# Altium PCB PCB2.PcbDoc (part 1 of 2) (continued)
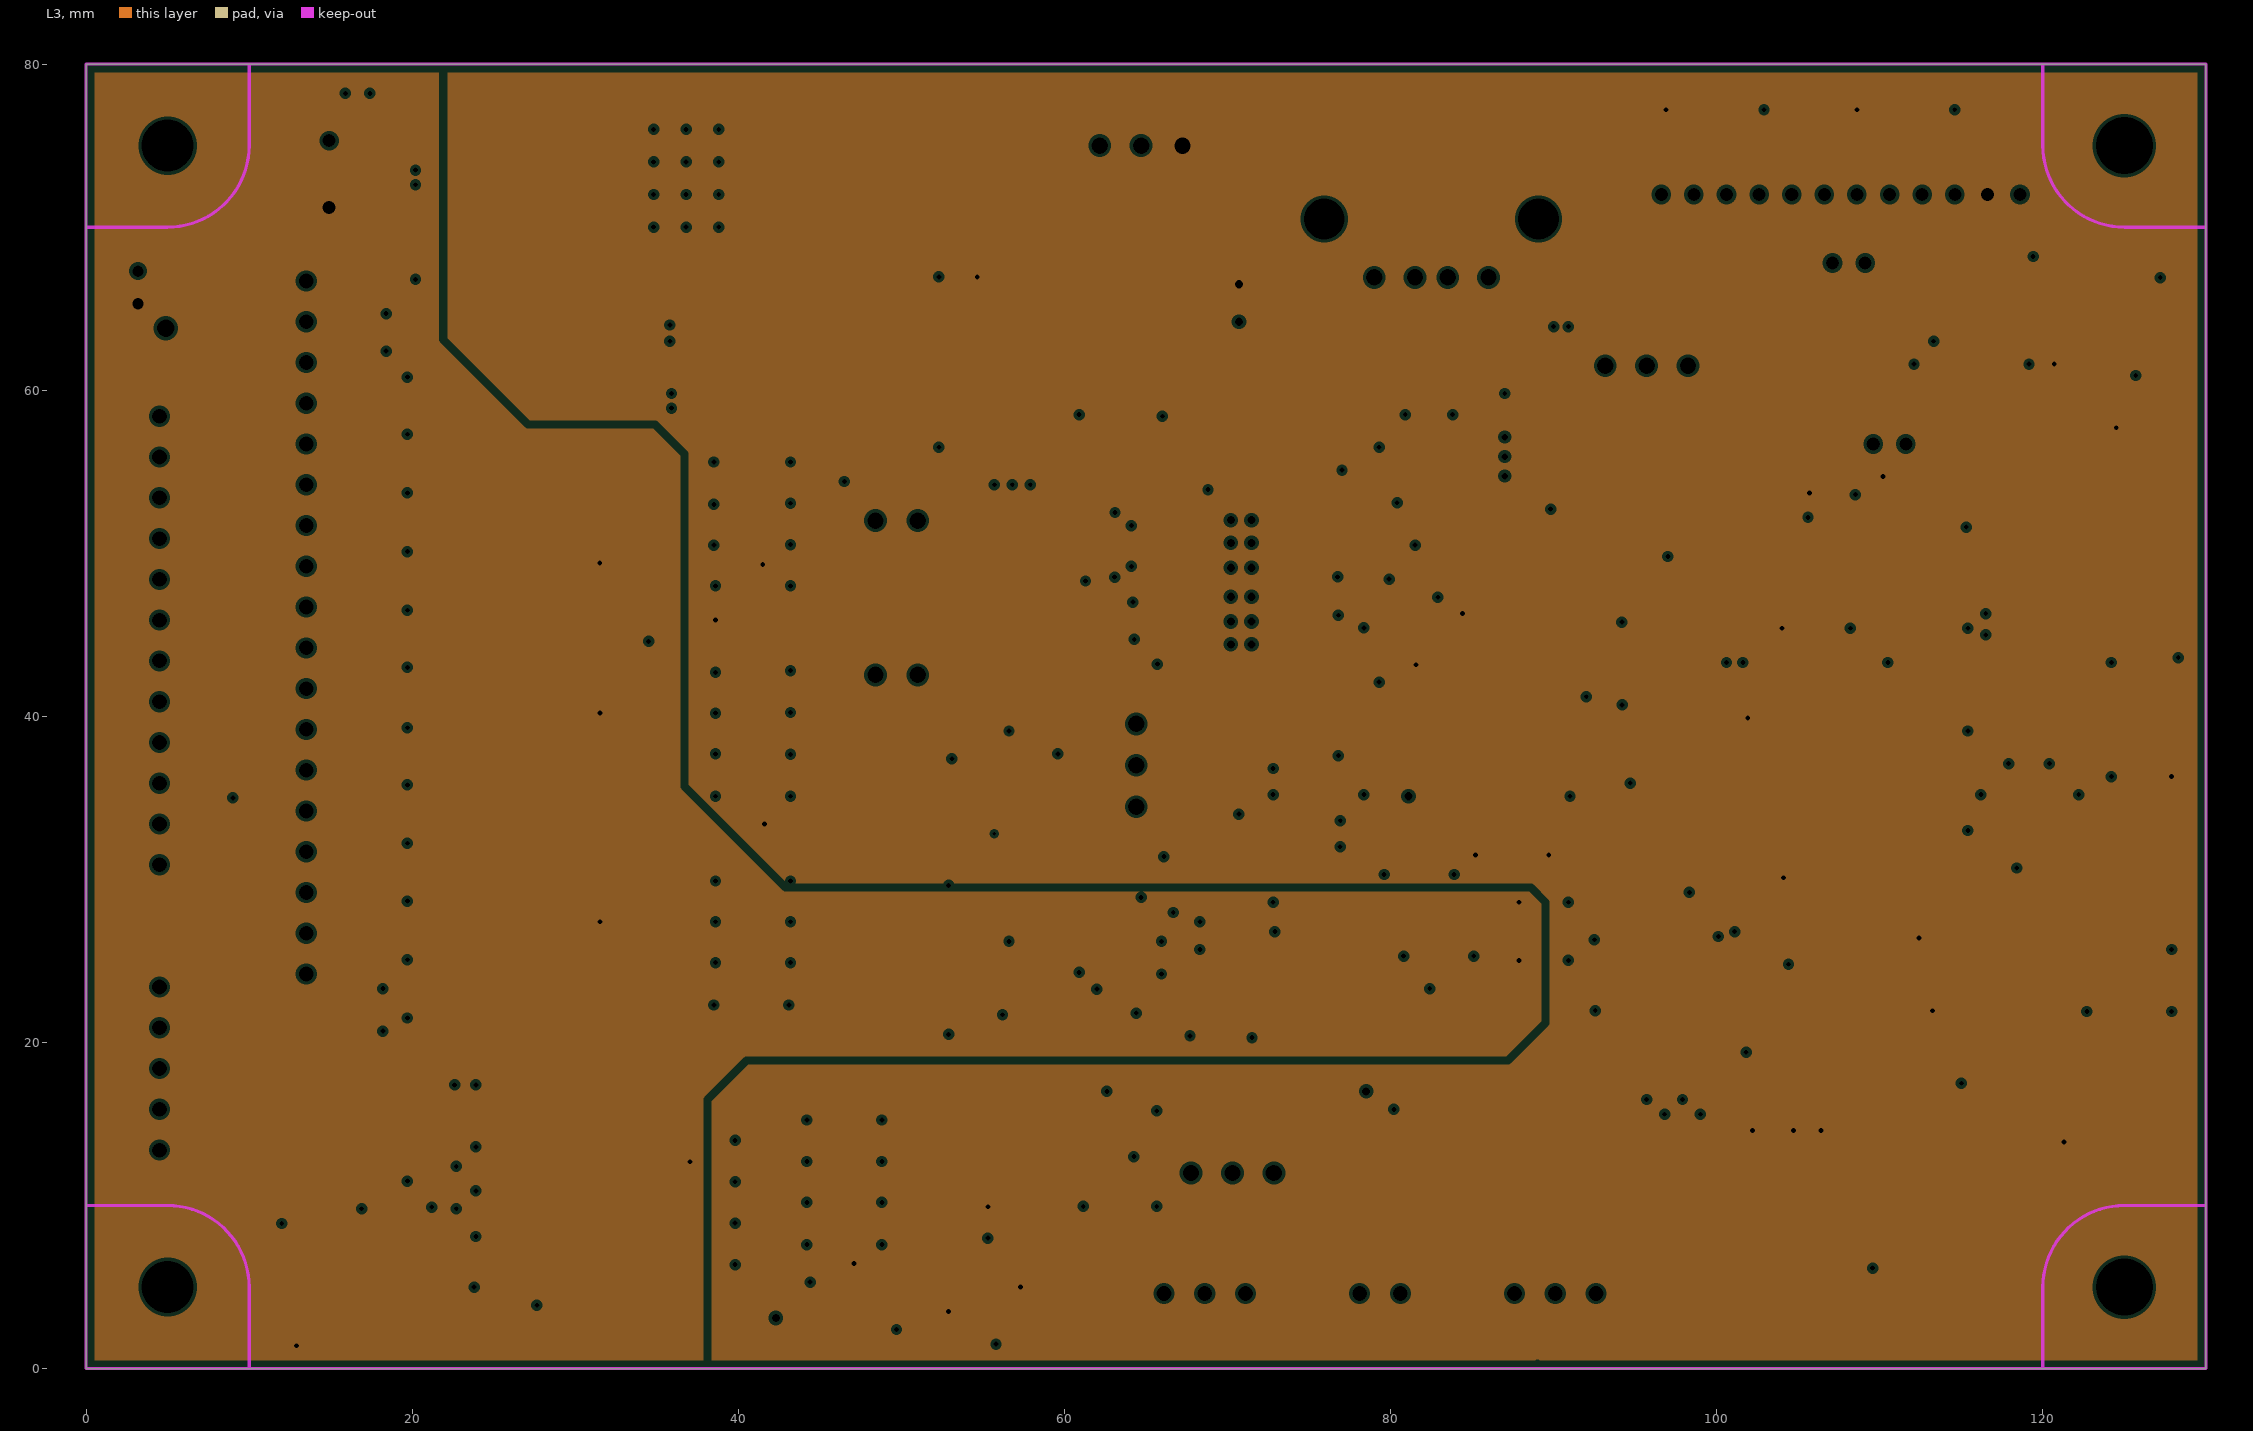
[diagram p3: L3, clearances drawn from the general rule]

## Layer stack, top to bottom
Top Solder: solder mask 0.0102, Solder Resist, Dk 3.5
L1: signal copper 0.043
Dielectric 2: prepreg 0.0711, PP-006, Dk 4.1
L2: plane copper 0.035, net (Multiple Nets)
Dielectric 1: dielectric 0.32, FR-4, Dk 4.8
L3: plane copper 0.035, net (Multiple Nets)
Dielectric 3: prepreg 0.0711, PP-006, Dk 4.1
L4: signal copper 0.043
Bottom Solder: solder mask 0.0102, Solder Resist, Dk 3.5

## Board outline
0,0 130,0 130,80 0,80

## Design rules (kind name [scope] priority, off if disabled: settings)
Clearance [All] p1: gap=0.1 ignorepadtopadclearanceinfootprint=TRUE except(0: SMDPad-Hole THPad-Hole Via-Hole Fill-Fill Fill-Poly Fill-Region Fill-Text Fill-Hole Poly-Poly Poly-Region Poly-Text Poly-Hole Region-Region Region-Text Region-Hole Text-Hole; 0.2: Arc-Arc Arc-Track Arc-Via Track-Track Track-Via; 0.25: Arc-Fill Arc-Poly Arc-Region Track-Fill Track-Poly Track-Region)
DiffPairsRouting [All] p1: maxlimit=0.254 minlimit=0.254 mostfreqgap=0.254 toplayer_minwidth=0.381 toplayer_maxwidth=0.381 toplayer_prefwidth=0.381 bottomlayer_minwidth=0.381 bottomlayer_maxwidth=0.381 bottomlayer_prefwidth=0.381 maxuncoupledlength=150
HoleSize [All] p1: absolutevalues=TRUE maxlimit=5 minlimit=0.025 maxpercent=80.000 minpercent=20.000
HoleToHoleClearance [All] p1: gap=0.1 allowstackedmicrovias=TRUE
MinimumSolderMaskSliver [All] p1: minsoldermaskwidth=0.1
PlaneClearance [All] p1: clearance=0.2
PlaneConnect [All] p1: planeconnectstyle=Relief reliefexpansion=0.2 reliefentries=4 reliefconductorwidth=0.2 reliefairgap=0.2
PolygonConnect [All] p1: connectstyle=Relief reliefconductorwidth=0.254 reliefentries=4 polygonreliefangle="90 Angle" airgapwidth=0.2
RoutingVias [All] p1: holewidth=0.3 width=0.6 viastyle="Through Hole" minholewidth=0.1 minwidth=0.6 maxholewidth=0.3 maxwidth=0.6
SilkToSilkClearance [All] p1: silktosilkclearance=0.1
SilkToSolderMaskClearance [IsPad] p1: minsilkscreentomaskgap=0 clearancetoexposedcopper=TRUE
SolderMaskExpansion [All] p1: expansion=0 istentingtop=FALSE
Width [All] p1: maxlimit=5 minlimit=0.1 preferedwidth=0.25 minimp=50.000000 maximp=50.000000 favimp=50.000000
22 further rules are at their usual default settings.

## Classes and differential pairs
component class U_Power: C20 C21 C22 C23 C24 C25 C26 C27 C28 C29 C30 C31 L2 L3 L4 R49 R50 R51 R52 R53 R54 R55 U4 U5
component class U_MCU: BOOT C1 C2 C3 C4 C5 C6 C7 C8 C9 C10 C11 C12 C13 C14 C15 C16 C17 C18 C19 CN5 ED1 JP1 JP2 JTAG1 L1 LED1 LED2 LED3 LED4 MS1 MS2 PC1 PC2 PC3 PC4 R1 R2 R3 R4 R5 R6 R7 R8 R9 R10 R11 R12 R13 R14 R15 R16 R17 R18 R19 R20 R21 R22 R23 R24 R25 R26 R27 R28 R29 R30 R31 R32 R33 R34 R35 R36 R37 R38 R39 R40 R41 R42 R43 R44 R45 R46 R47 R48 RESEt1 SW1 SW2 TR1 TR2 U1 U2 U3 USB1 USBPOW1 VR3 VR4 X1 X2
component class U_IO: C32 C33 C34 C35 C36 C37 C38 C39 C40 C41 C42 C43 C44 C45 C46 C47 C48 C49 C50 C51 C52 CN3 D1 DGND1 "EXT GND1" FUSE1 J1 J2 J3 JP3 JP4 PC5 PC6 PC7 PC8 R56 R57 R58 R59 R60 R61 R62 R63 R64 R65 R66 R67 R68 R69 R70 R71 R72 R73 R74 R75 R76 R77 R78 R79 R80 R81 R82 R83 R84 R85 R86 R87 R88 R89 R90 R91 R92 R93 R94 R95 R96 R97 R98 R99 R100 R101 R102 R103 R104 R105 R106 TP1 U6
component class U_Amp: C53 C54 C55 C56 C57 C58 C59 C60 C61 C62 C63 C64 C65 C66 C67 C68 C69 C70 C71 C72 C73 C74 C75 C76 C77 C78 C89 C90 C91 CN1 CN4 L5 L6 POWS1 R107 R108 R109 R110 R111 R112 R113 R114 R115 R116 R117 R118 R119 R120 R121 R122 R123 R124 R125 R126 R127 R128 R129 R130 R131 R132 R133 R134 TP2 TP3 U7 U8 U9 VR1 VR2 VRS1
component class TOP: 3.3V AGND1 FD3 FD5 LG1

## Components (designator, comment, footprint, x,y, rotation, side; value= is the part's Value field where it differs from the comment)
3.3V "TP0.5mm" TP0.5mm 70.7,66.5 r90 top
AGND1 "TP0.5mm" TP0.5mm 70.7,64.2 r90 top
BOOT "HEDDER2 2mm" "HDR1X2 2MM" 109.6,56.7 r0 top
C1 "TMK107BJ105MA-T" C1608 97.7,52.8 r0 top
C2 "TMK107BJ105MA-T" C1608 105.4,26.9 r90 top
C3 "CGA3E2X7R1H104K080AA" C1608 97.7,51 r0 top
C4 "CGA3E2X7R1H104K080AA" C1608 86.395,46.3 r180 top
C5 "CGA3E2X7R1H104K080AA" C1608 103.6,26.9 r90 top
C6 "CGA3E2X7R1H104K080AA" C1608 92.3,48.45 r180 top
C7 "GCD188R71H103KA01D" C1608 127.9,29.6 r90 top
C8 "TMK107BJ105MA-T" C1608 124.5,60 r270 top
C9 "TMK107BJ105MA-T" C1608 126.9,60 r270 top
C10 "CGA3E2X7R1H104K080AA" C1608 114.5,59.4 r270 top
C11 "CGA3E2X7R1H104K080AA" C1608 116.1,59.4 r270 top
C12 "GCM1885C2A150FA16D" C1608 112.1,63.4 r270 top
C13 "GCM1885C2A150FA16D" C1608 110.1,63.4 r270 top
C14 "GCM1885C2A102JA16D" C1608 108.1,63.4 r270 top
C15 "CGA3E2X7R1H104K080AA" C1608 120.152,67.1 r0 top
C16 "CGA3E2X7R1H104K080AA" C1608 92.3,49.9 r0 top
C17 "CGA3E2X7R1H104K080AA" C1608 87.7,61.5 r180 top
C18 "CGA3E2X7R1H104K080AA" C1608 91.5,56.25 r90 top
C19 "CGA3E2X7R1H104K080AA" C1608 86.395,51.8 r180 top
C20 "GCD188R71H103KA01D" C1608 55.375,75.7 r90 top
C21 "GCD188R71H103KA01D" C1608 56.9,75.7 r90 top
C22 "GRM21BR71H474MA88" C2012 45.7,60.9 r90 top
C23 "UMK325C7106MM-T" C3225 31.3,60.9 r90 top
C24 "TMK212BBJ106MG-T" C2012 70.8,61.5 r270 top
C25 "TMK212BBJ106MG-T" C2012 72.8,61.5 r270 top
C26 "TMK212BBJ106MG-T" C2012 58.7,69.79 r0 top
C27 "TMK212BBJ106MG-T" C2012 58.7,67.575 r0 top
C28 "GCD188R71H103KA01D" C1608 52.275,73.06 r90 top
C29 "GRM21BR71H474MA88" C2012 63.5,69.6 r180 top
C30 "CGA3E2X7R1H104K080AA" C1608 67.9,66.5 r0 top
C31 "EMK325ABJ107MM-T" C3225 68.5,69 r0 top
C32 "CGA3E2X7R1H104K080AA" C1608 22,32.218 r0 top
C33 "CGA3E2X7R1H104K080AA" C1608 11.8,73.8 r0 top
C34 "CGA3E2X7R1H104K080AA" C1608 22,28.645 r0 top
C35 "CGA3E2X7R1H104K080AA" C1608 46.4,5.3 r0 top
C36 "CGA3E2X7R1H104K080AA" C1608 37.9,44.6 r0 top
C37 "CGA3E2X7R1H104K080AA" C1608 22,25.073 r0 top
C38 "CGA3E2X7R1H104K080AA" C1608 22,21.5 r0 top
C39 "CGA3E2X7R1H104K080AA" C1608 27.1,17.4 r0 top
C40 "CGA3E2X7R1H104K080AA" C1608 27.1,12.85 r0 top
C41 "CGA3E2X7R1H104K080AA" C1608 27.1,9.1 r0 top
C42 "CGA3E2X7R1H104K080AA" C1608 22,35.791 r0 top
C43 "CGA3E2X7R1H104K080AA" C1608 22,39.364 r0 top
C44 "CGA3E2X7R1H104K080AA" C1608 22,42.936 r0 top
C45 "CGA3E2X7R1H104K080AA" C1608 22,46.509 r0 top
C46 "CGA3E2X7R1H104K080AA" C1608 22,50.082 r0 top
C47 "CGA3E2X7R1H104K080AA" C1608 22,53.655 r0 top
C48 "CGA3E2X7R1H104K080AA" C1608 22,57.227 r0 top
C49 "CGA3E2X7R1H104K080AA" C1608 22,60.8 r0 top
C50 "CGA3E2X7R1H104K080AA" C1608 59,3.475 r180 top
C51 "GRM21BR71H474MA88" C2012 23.175,71.1 r0 top
C52 "GRM21BR71H474MA88" C2012 11.8,71.1 r0 top
C53 "CGA3E2X7R1H104K080AA" C1608 60.6,31.475 r180 top
C54 "TMK107BJ105MA-T" C1608 74.9,26.8 r180 top
C55 "TMK107BJ105MA-T" C1608 80.905,12.9 r180 top
C56 "GCM1885C2A471JA16D" C1608 71,25.2 r180 top
C57 "GCM1885C2A221JA16D" C1608 53.6,25.1 r0 top
C58 "TMK107BJ105MA-T" C1608 74.9,30.3 r0 top
C59 "GCM1885C2A682JA16D" C1608 53.6,21.675 r180 top
C60 "GCM1885C2A102JA16D" C1608 71,30.3 r0 top
C61 "CGA3E2X7R1H104K080AA" C1608 81.9,30.3 r180 top
C62 "GCM1885C2A102JA16D" C1608 71,38.375 r180 top
C63 "EMK325ABJ107MM-T" C3225 61.275,44.8 r270 top
C64 "CGA3E2X7R1H104K080AA" C1608 52.895,34.8 r90 top
C65 "UMK107B7474KA-TR" C1608 58.49,44.5 r90 top
C66 "GCM1885C2A102JA16D" C1608 56,46.8 r180 top
C67 "GCM1885C2A102JA16D" C1608 56,48.3 r0 top
C68 "CGA3E2X7R1H104K080AA" C1608 53.6,28.4 r0 top
C69 "CGA3E2X7R1H104K080AA" C1608 58.49,38.4 r90 top
C70 "TMK107BJ105MA-T" C1608 82.2,48.4 r180 top
C71 "UMK107B7474KA-TR" C1608 58.49,51.8 r90 top
C72 "TMK107BJ105MA-T" C1608 79.74,52 r0 top
C73 "TMK107BJ105MA-T" C1608 79.74,50.5 r180 top
C74 "GCM1885C2A102JA16D" C1608 66.3,53.9 r180 top
C75 "EMK325ABJ107MM-T" C3225 61.3,52 r90 top
C76 "TMK107BJ105MA-T" C1608 75.04,55.1 r180 top
C77 "CGA3E2X7R1H104K080AA" C1608 71,40.2 r180 top
C78 "CGA3E2X7R1H104K080AA" C1608 66.852,30.3 r180 top
CN1 "B2P-SHF-1AA" B2P-SHF-1AA 78.1,4.6 r180 top
CN3 "B02B-PASK-1" B02B-PASK-1 3.184,65.3 r270 top
CN4 "B3P-SHF-1AA" B3P-SHF-1AA 66.1,4.6 r180 top
CN5 "B3P-SHF-1AA" B3P-SHF-1AA 87.6,4.6 r180 top
D1 "SIPS3150U" DO-214AA 25.3,76.25 r180 top
DGND1 "TP3.2mm" TP3.2mm 5,75 r90 top
ED1 "SMD_JAMPER" "SMD_JAMPER -CUT" 118.5,59.554 r270 top
"EXT GND1" "TP3.2mm" TP3.2mm 5,5 r90 top
FUSE1 "ERB-RE3R00V" R1608 18.1,77 r0 top
J1 "B18P-SHF-1AA" B18P-SHF-1AA 13.5,66.7 r90 top
J2 "B5P-SHF-1AA" B5P-SHF-1AA 4.5,23.4 r90 top
J3 "B12P-SHF-1AA" B12P-SHF-1AA 4.5,58.4 r90 top
JP1 "SMD_JAMPER" "SMD_JAMPER -Cut" 116.4,18 r270 top
JP2 "SMD_JAMPER" "SMD_JAMPER -Cut" 113.6,18 r270 top
JP3 "SMD_JAMPER" "SMD_JAMPER -Cut" 10.1,8.9 r180 top
JP4 "SMD_JAMPER" "SMD_JAMPER -Cut" 14.4,78.2 r180 top
JTAG1 "HEDDER12 2mm" "HDR1X12 2MM" 96.6,72 r0 top
L1 "MLZ2012N101LT000" R2012 125.4,55.9 r0 top
L2 "ACP3225-102-2P-T000" ACM3225 53.525,59.95 r270 top
L3 "ACP3225-102-2P-T000" ACM3225 39.3,60.9 r0 top
L4 "ACP3225-102-2P-T000" ACM3225 63.41,59.95 r90 top
L5 "TF3225" R3225 49.7,45 r180 top
L6 "TF3225" R3225 49.7,49.5 r180 top
LED1 "APT1608LSECK/J4-PRV" LED1608 86.65,42.033 r180 top
LED2 "APT1608LSYCK/J3-PRV" LED1608 86.65,39.8 r180 top
LED3 "APT1608LZGCK" LED1608 86.65,37.5 r180 top
LED4 "APT1608LSECK/J3-PRV" LED1608 86.65,44.3 r180 top
MS1 "SMD_JAMPER" "SMD_JAMPER -CUT" 126.654,65.6 r180 top
MS2 "SMD_JAMPER" "SMD_JAMPER -CUT" 126.654,68.2 r180 top
PC1 "TLP291" SOP4 18.8,7.5 r180 top
PC2 "TLP291" SOP4 89.4,24.4 r0 top
PC3 "TLP291" SOP4 18.8,4.4 r180 top
PC4 "TLP291" SOP4 89.4,27.965 r0 top
PC5 "TLP291-4(TP,E)" SO16 33,25.495 r0 top
PC6 "TLP291-4(TP,E)" SO16 33,38.3 r0 top
PC7 "TLP291-4(TP,E)" SO16 38.4,10.78 r0 top
PC8 "TLP291-4(TP,E)" SO16 32.9,51.17 r0 top
POWS1 "SS12D01G4" SS12D01G4 64.4,37 r90 top
R1 "ERJ-PA3F4701V" R1608 126.7,32.9 r90 top
R2 "ERJ-PA3F4701V" R1608 125.7,17.9 r0 top
R3 "ERJ-PA3F4701V" R1608 125.7,16.133 r0 top
R4 "ERJ-PA3F4701V" R1608 112.4,28.7 r270 top
R5 "ERJ-PA3F4701V" R1608 126,36.3 r0 top
R6 "ERJ-PA3F4701V" R1608 112.4,23.8 r90 top
R7 "ERJ-PA3F4701V" R1608 110.6,76.499 r90 top
R8 "ERJ-PA3F4701V" R1608 106.6,76.5 r90 top
R9 "ERJ-PA3F4701V" R1608 100.6,76.5 r90 top
R10 "ERJ-PA3F4701V" R1608 98.6,76.5 r90 top
R11 "ERJ-PA3F4701V" R1608 95.3,76.499 r90 top
R12 "ERJ-PA3F22R0V" R1608 120.633,32.9 r90 top
R13 "ERJ-PA3F22R0V" R1608 119.117,32.9 r90 top
R14 "ERJ-PA3F22R0V" R1608 122.15,32.9 r270 top
R15 "ERJ-PA3F22R0V" R1608 123.667,32.9 r270 top
R16 "ERJ-PA3F22R0V" R1608 117.6,32.9 r90 top
R17 "ERJ-PA3F4701V" R1608 104.6,76.499 r90 top
R18 "ERJ-PA3F22R0V" R1608 125.183,32.9 r270 top
R19 "ERJ-PA3F4701V" R1608 112.6,76.499 r90 top
R20 "ERJ-PA3F1002V" R1608 110.9,53.6 r180 top
R21 "ERJ-PA3F1003V" R1608 120.7,59.405 r270 top
R22 "ERJ-PA3F1002V" R1608 105.6,55.7 r180 top
R23 "ERJ-PA3F1002V" R1608 98.3,55.6 r270 top
R24 "ERJ-PA3F1002V" R1608 96.2,55.6 r270 top
R25 "ERJ-PA3F1002V" R1608 92.305,51.7 r0 top
R26 "ERJ-PA3F1001V" R1608 82.25,42.033 r0 top
R27 "ERJ-PA3F22R0V" R1608 86.4,50.1 r180 top
R28 "ERJ-PA3F1001V" R1608 82.25,39.767 r0 top
R29 "ERJ-PA3F1501V" R1608 93.1,55.6 r90 top
R30 "ERJ-PA3F22R0V" R1608 86.47,48.425 r180 top
R31 "ERJ-PA3F1001V" R1608 82.25,37.5 r0 top
R32 "ERJ-PA3F1001V" R1608 82.25,44.3 r0 top
R33 "ERJ-PA3F1003V" R1608 87.13,31.5 r180 top
R34 "ERJ-PA3F1003V" R1608 91.85,31.5 r180 top
R35 "ERJ-PA3F1003V" R1608 103,16.7 r270 top
R36 "ERJ-PA3F1003V" R1608 104.8,16.7 r270 top
R37 "ERJ-PA3F1003V" R1608 106.4,16.7 r270 top
R38 "ERJ-PA3F1003V" R1608 125.7,11.1 r0 top
R39 "ERJ-PA3F1003V" R1608 125.7,12.778 r0 top
R40 "ERJ-PA3F1003V" R1608 125.7,14.456 r0 top
R41 "ERJ-PA3F1003V" R1608 120.6,16.133 r0 top
R42 "ERJ-PA3F1003V" R1608 120.6,17.9 r0 top
R43 "ERJ-P08J472V" R2012 13,3.765 r270 top
R44 "ERJ-P08J472V" R2012 11,3.765 r270 top
R45 "ERJ-PA3F3900V" R1608 26.9,4.9 r0 top
R46 "ERJ-P08J222V" R2012 90.7,17.7 r90 top
R47 "ERJ-PA3F3900V" R1608 26.9,2.865 r0 top
R48 "ERJ-P08J222V" R2012 93.1,17.7 r90 top
R49 "ERJ-PA3F1003V" R1608 49.9,65.7 r0 top
R50 "ERJ-PA3F1003V" R1608 53.9,75.7 r270 top
R51 "ERJ-PA3F1003V" R1608 56.205,72.4 r180 top
R52 "ERJ-PA3F1000V" R1608 53.9,68.9 r90 top
R53 "ERJ-PA3F1000V" R1608 55.4,68.9 r90 top
R54 "ERJ-PA3F1000V" R1608 52.3,68.9 r270 top
R55 "ERJ-S030R00V" R1608 67.9,64.8 r0 top
R56 "ERJ-PA3F1002V" R1608 40.9,22.3 r0 top
R57 "ERJ-PA3F1002V" R1608 40.9,24.9 r0 top
R58 "ERJ-PA3F1002V" R1608 40.9,27.4 r0 top
R59 "ERJ-PA3F1002V" R1608 40.9,29.94 r0 top
R60 "ERJ-PA3F1002V" R1608 46.4,7.6 r0 top
R61 "ERJ-PA3F1002V" R1608 46.4,10.165 r0 top
R62 "ERJ-PA3F1002V" R1608 46.4,12.7 r0 top
R63 "ERJ-PA3F1002V" R1608 46.4,15.245 r0 top
R64 "ERJ-PA3F1002V" R1608 40.9,42.745 r0 top
R65 "ERJ-PA3F1002V" R1608 40.9,40.2 r0 top
R66 "ERJ-PA3F1002V" R1608 40.9,37.7 r0 top
R67 "ERJ-PA3F1002V" R1608 40.9,35.1 r0 top
R68 "ERJ-PA3F1002V" R1608 40.8,55.615 r0 top
R69 "ERJ-PA3F1002V" R1608 40.8,53.075 r0 top
R70 "ERJ-PA3F1002V" R1608 40.8,50.535 r0 top
R71 "ERJ-PA3F1002V" R1608 40.795,47.965 r0 top
R72 "ERJ-PA3F1002V" R1608 25.2,30.28 r90 top
R73 "ERJ-PA3F1002V" R1608 25.2,42.64 r90 top
R74 "ERJ-P08J222V" R2012 21.8,30.416 r0 top
R75 "ERJ-P08J222V" R2012 21.8,44.704 r180 top
R76 "ERJ-PA3F1002V" R1608 26.5,26.8 r90 top
R77 "ERJ-PA3F1002V" R1608 26.7,39.6 r90 top
R78 "ERJ-P08J222V" R2012 21.8,26.844 r0 top
R79 "ERJ-P08J222V" R2012 21.8,41.132 r180 top
R80 "ERJ-PA3F1002V" R1608 25.1,24.1 r90 top
R81 "ERJ-PA3F1002V" R1608 25.2,36.46 r90 top
R82 "ERJ-P08J222V" R2012 21.8,23.272 r0 top
R83 "ERJ-P08J222V" R2012 21.8,37.56 r180 top
R84 "ERJ-PA3F1002V" R1608 26.5,21.6 r90 top
R85 "ERJ-PA3F1002V" R1608 26.7,33.92 r90 top
R86 "ERJ-P08J222V" R2012 21.8,19.7 r0 top
R87 "ERJ-P08J222V" R2012 21.8,33.988 r180 top
R88 "ERJ-PA3F1002V" R1608 30.5,15.3 r90 top
R89 "ERJ-PA3F1002V" R1608 25.3,55 r90 top
R90 "ERJ-P08J222V" R2012 26.9,14.725 r0 top
R91 "ERJ-P08J222V" R2012 21.8,58.992 r180 top
R92 "ERJ-PA3F1002V" R1608 31.9,12.2 r90 top
R93 "ERJ-PA3F1002V" R1608 26.7,52.4 r90 top
R94 "ERJ-P08J222V" R2012 26.9,10.962 r0 top
R95 "ERJ-P08J222V" R2012 21.8,55.42 r180 top
R96 "ERJ-PA3F1002V" R1608 30.5,9.6 r90 top
R97 "ERJ-PA3F1002V" R1608 25.3,49.3 r90 top
R98 "ERJ-P08J222V" R2012 26.9,7.2 r0 top
R99 "ERJ-P08J222V" R2012 21.8,51.848 r180 top
R100 "ERJ-PA3F1002V" R1608 26.7,46.24 r90 top
R101 "ERJ-PA3F1002V" R1608 50.4,3.5 r0 top
R102 "ERJ-P08J222V" R2012 38,3.09 r180 top
R103 "ERJ-P08J222V" R2012 21.8,48.276 r180 top
R104 "ERJ-PA3F1002V" R1608 55.1,3.5 r180 top
R105 "ERJ-6GEY0R00V" R2012 17.9,71.15 r180 top
R106 "ERJ-6GEY0R00V" R2012 17.9,75 r180 top
R107 "ERJ-PA3F1002V" R1608 60.6,30 r180 top
R108 "ERJ-PA3F1002V" R1608 56.4,31.5 r180 top
R109 "ERJ-PA3F3601V" R1608 53.595,23.4 r180 top
R110 "ERJ-PA3F3601V" R1608 59.8,21.6 r0 top
R111 "ERJ-PA3F4701V" R1608 71,28.6 r0 top
R112 "ERJ-P08J511V" R2012 77.6,21.8 r180 top
R113 "ERJ-PA3F1201V" R1608 53.595,26.744 r180 top
R114 "ERJ-PA3F1302V" R1608 71,26.825 r180 top
R115 "ERJ-PA3F4701V" R1608 74.9,28.6 r0 top
R116 "ERJ-PA3F1002V" R1608 80.9,11.3 r0 top
R117 "ERJ-PA3F1004V" R1608 56.4,30 r180 top
R118 "ERJ-PA3F5100V" R1608 80.9,14.5 r180 top
R119 "ERJ-PA3F1002V" R1608 74.9,25 r180 top
R120 "ERJ-PA3F1001V" R1608 63.3,19.4 r0 top
R121 "ERJ-PA3F1002V" R1608 54.5,38.409 r90 top
R122 "ERJ-PA3F1002V" R1608 54.5,34.809 r90 top
R123 "ERJ-PA3F1002V" R1608 77.2,42.1 r180 top
R124 "ERJ-PA3F3902V" R1608 78.3,47.7 r270 top
R125 "ERJ-PA3F3902V" R1608 82.12,46.2 r0 top
R126 "ERJ-PA3F3601V" R1608 74.89,36.8 r180 top
R127 "ERJ-PA3F1002V" R1608 74.9,38.4 r0 top
R128 "ERJ-PA3F22R0V" R1608 71.4,57 r180 top
R129 "ERJ-PA3F1002V" R1608 74.89,35.2 r0 top
R130 "ERJ-PA3F22R0V" R1608 71.4,55.2 r180 top
R131 "ERJ-PA3F3601V" R1608 80.415,55.8 r270 top
R132 "ERJ-PA3F3601V" R1608 78.3,55.8 r90 top
R133 "ERJ-PA3F1002V" R1608 74.9,33.6 r0 top
R134 "ERJ-PA3F1002V" R1608 74.9,32 r180 top
RESET1 "HEDDER2 2mm" "HDR1X2 2MM" 109.1,67.8 r180 top (schematic designator RESEt1)
SW1 "219-8MST" 219-8MST 108.29,8 r270 top
SW2 "CJS-1201TB" "Slide Switch SPDT" 100.1,21.5 r270 top
TP1 "TP0.5mm" TP0.5mm 42.3,3.1 r90 top
TP2 "TP0.5mm" TP0.5mm 78.5,17 r90 top
TP3 "TP0.5mm" TP0.5mm 81.1,35.1 r90 top
TR1 "DTDG14GPT100" SOT-89-3 12.7,14.9 r90 top
TR2 "DTDG14GPT100" SOT-89-3 19.7,14.8 r90 top
U1 "AS5F34G04SND-08LIN" 8LGA(6X8) 121.4,23.8 r180 top
U2 "R5F5651EHDFP#30" LQFP100 105.6,40.3 r270 top
U3 "LTC3245EMSE#PBF" MSOP12 87,55.925 r0 top
U4 "LMZ14202HTZ/NOPB" TO-PMOD-7 41.375,72.49 r180 top
U5 "TPSM84203EAB" TO220-3 64.7,75 r0 top
U6 "MCP23017T-E/SS" SSOP28 55.4,10.9 r0 top
U7 "TL074CPWR" TSSOP14 61.5,26.2 r0 top
U8 "DS3502U+T&R" MSOP10 81.3,26.3 r180 top
U9 "TPA3140D2PWPR" TSSOP28 70.84,48.225 r180 top
USB1 "87583-3010RPALF" USB_2.0 82.5,70.5 r180 top
USBPOW1 "SS12D01G4" SS12D01G4 95.7,61.5 r180 top
VR1 "ST4ETB202" ST4ETB202 84.459,18.2 r0 top
VR2 "ST4ETB202" ST4ETB202 71.1,18.2 r0 top
VR3 "ST4ETB202" ST4ETB202 123.2,49.8 r180 top
VR4 "ST4ETB202" ST4ETB202 123.2,42.4 r180 top
VRS1 "SS12D01G4" SS12D01G4 70.3,12 r0 top
X1 "9HT10-32.768KAZY-T" 9HT10 110.9,60 r180 top
X2 "SIT2001BI-S2-33E-12.000000" SOT-23-5 119.6,64 r90 top

## Footprints (in the part's own frame and the unit in brackets; to place one, negate y for a bottom-side part, rotate by r counter-clockwise, add the part's x,y. Pads: shape width x height; smd on the part's side, far side on the other; paste and mask are expansions set on the pad)
8LGA(6X8) [mm]
  rrect20% 2.3x0.7 smd mask+0.05: 1(-4.5,1.89) 2(-4.5,0.62) 3(-4.5,-0.65) 4(-4.5,-1.92) 5(4.5,-1.92) 6(4.5,-0.65) 7(4.5,0.62) 8(4.5,1.89)
  silkscreen extent -5.1,-3.45 4.5,3.55
9HT10 [mm]
  rect 1x1.8 smd: 1(1.25,0) 2(-1.25,0)
  silkscreen extent -0.53,-0.9 0.53,0.9
219-8MST [mm]
  oct 2.44x1.13 smd: 1(-4.3,8.89)
  rect 2.44x1.13 smd: 2(-4.3,6.35) 3(-4.3,3.81) 4(-4.3,1.27) 5(-4.3,-1.27) 6(-4.3,-3.81) 7(-4.3,-6.35) 8(-4.3,-8.89) 9(4.3,-8.89) 10(4.3,-6.35) 11(4.3,-3.81) 12(4.3,-1.27) 13(4.3,1.27) 14(4.3,3.81) 15(4.3,6.35) 16(4.3,8.89)
  silkscreen extent -4.4,-11 3.5,11, body extent -5.13,-11.08 5.15,11.03, height 6.05
ACM3225 [mm]
  rect 1.5x1.4 smd: 1(-1.55,1.25) 2(-1.55,-1.25) 3(1.55,-1.25) 4(1.55,1.25)
  silkscreen extent -1.7,-1.4 1.7,1.4
B02B-PASK-1 [mm]
  round 1.4 hole 0.7: 1(0,0) 2(-2,0)
  round 0.8 hole 1.1 unplated: boss(1.5,1.7)
  silkscreen extent -4.15,-2.23 2.15,3.37
B2P-SHF-1AA [mm]
  round 1.6 hole 0.9: 1(0,0) 2(-2.5,0)
  silkscreen extent -5.64,-4.56 3.1,3
B3P-SHF-1AA [mm]
  round 1.6 hole 0.9: 1(0,0) 2(-2.5,0) 3(-5,0)
  silkscreen extent -8.14,-4.56 3.1,3
B5P-SHF-1AA [mm]
  round 1.6 hole 0.9: 1(0,0) 2(-2.5,0) 3(-5,0) 4(-7.5,0) 5(-10,0)
  silkscreen extent -13.14,-4.56 3.1,3
B12P-SHF-1AA [mm]
  round 1.6 hole 0.9: 1(0,0) 2(-2.5,0) 3(-5,0) 4(-7.5,0) 5(-10,0) 6(-12.5,0) 7(-15,0) 8(-17.5,0) 9(-20,0) 10(-22.5,0) 11(-25,0) 12(-27.5,0)
  silkscreen extent -30.64,-4.56 3.1,3
B18P-SHF-1AA [mm]
  round 1.6 hole 0.9: 1(0,0) 2(-2.5,0) 3(-5,0) 4(-7.5,0) 5(-10,0) 6(-12.5,0) 7(-15,0) 8(-17.5,0) 9(-20,0) 10(-22.5,0) 11(-25,0) 12(-27.5,0) 13(-30,0) 14(-32.5,0) 15(-35,0) 16(-37.5,0) 17(-40,0) 18(-42.5,0)
  silkscreen extent -45.64,-4.56 3.1,3
C1608 [mm]
  rrect20% 0.75x0.75 smd mask+0.05: 1(-0.7,0) 2(0.7,0)
  silkscreen extent -1.23,-0.53 1.23,0.53, body extent -0.8,-0.4 0.8,0.4, height 0.8
C2012 [mm]
  rrect20% 0.8x1.1 smd mask+0.05: 1(-0.9,0) 2(0.9,0)
  silkscreen extent -1.48,-0.72 1.48,0.72, body extent -1,-0.6 1,0.6, height 0.85
C3225 [mm]
  rrect20% 1.2x2.3 smd mask+0.05: 1(-1.6,0) 2(1.6,0)
  silkscreen extent -2.37,-1.33 2.37,1.33, body extent -1.6,-1.25 1.6,1.25, height 1
DO-214AA [mm] "3"
  rrect50% 2.159x2.743 smd: A(2.21,0)
  oct 2.159x2.743 smd: K(-2.21,0)
  silkscreen extent -4,-1.9 3.6,1.9, body extent -2.72,-1.78 2.72,1.78, height 0.8
"HDR1X2 2MM" [mm]
  rect 1.4x1.4 hole 0.8: 1(0,0)
  round 1.4 hole 0.8: 2(2,0)
  silkscreen extent -1.27,-1.27 3.41,1.27
"HDR1X12 2MM" [mm]
  rect 1.4x1.4 hole 0.8: 1(0,0)
  round 1.4 hole 0.8: 2(2,0) 3(4,0) 4(6,0) 5(8,0) 6(10,0) 7(12,0) 8(14,0) 9(16,0) 10(18,0) 11(20,0) 12(22,0)
  silkscreen extent -1.27,-1.27 23.41,1.27
LED1608 [mm]
  rrect50% 0.8x0.8 smd: A(0.85,0)
  oct 0.8x0.8 smd: K(-0.85,0)
  silkscreen extent -1.7,-0.6 1.4,0.6, body extent -0.9,-0.45 0.9,0.45, height 0.8